# Altium PCB PCB3.PcbDoc (continued)
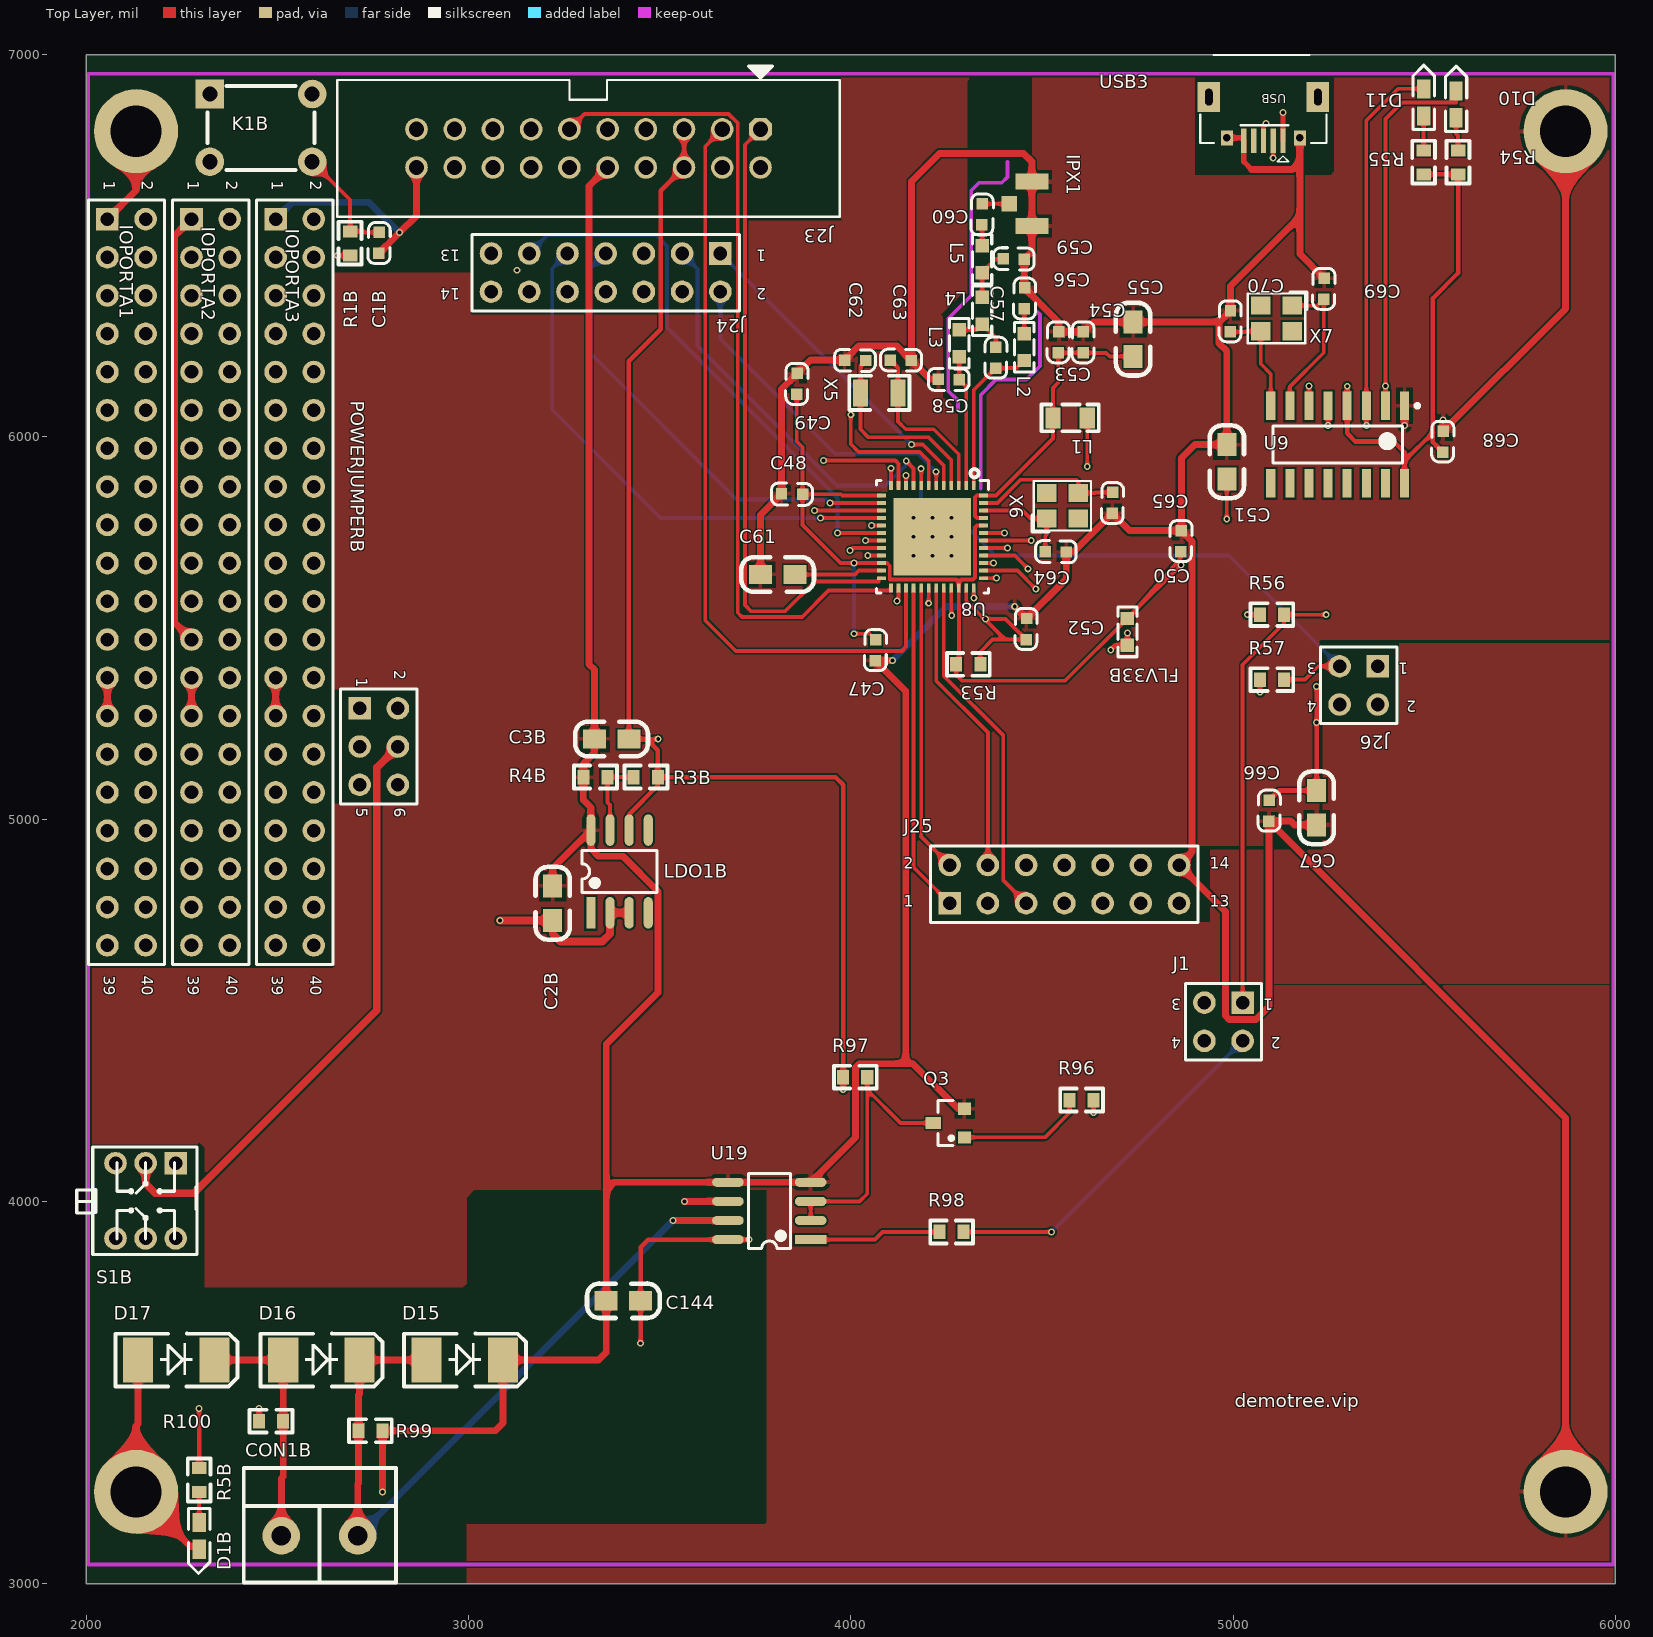
[diagram p0: Top Layer view]
## Footprints (in the part's own frame and the unit in brackets; to place one, negate y for a bottom-side part, rotate by r counter-clockwise, add the part's x,y. Pads: shape width x height; smd on the part's side, far side on the other; paste and mask are expansions set on the pad)
0603C [mil]
  rect 30x30 smd: 1(0.21,-0.35) 2(55.21,-1.35)
  silkscreen extent -26,-30 81,28, body extent -1,-15 62,17, height 12
0603L [mil]
  rect 35x35 smd: 1(0,0) 2(70,0)
  silkscreen extent -30,-25 100,25, body extent 4,-16 66,15, height 31
0603R [mm]
  rect 0.8x0.965 smd: 1(0,0) 2(1.6,0)
  silkscreen extent -0.64,-0.76 2.21,0.76, body extent -0.04,-0.41 1.56,0.41, height 0.45
0805C [mil]
  rect 60x50 smd: 1(-0.71,-0.4) 2(89.29,-0.4)
  silkscreen extent -51,-45 139,45, body extent 6,-25 84,25, height 31
0805L [mil]
  rect 40x55 smd: 1(5,0) 2(95,0)
  silkscreen extent -25,-35 125,35, body extent 15,-24 94,24, height 35
DIP-6X6X5 [mm]
  rect 1.9x1.9 hole 1: 1(0,0)
  round 1.9 hole 1: 2(0,-4.5) 3(6.8,-4.5) 4(6.8,0)
  silkscreen extent -0.16,-5.04 6.96,0.54, body extent -0.8,-5.24 7.41,0.76, height 4.95
HDR2X2 [mm] "Connector; Header; 2x2 Position"
  rect 1.5x1.5 hole 0.9: 1(0,0)
  round 1.5 hole 0.9: 2(0,2.54) 3(2.54,0) 4(2.54,2.54)
  silkscreen extent -1.27,-1.27 3.81,3.81
HDR2X3 [mm] "Connector; Header; 3x2 Position"
  rect 1.5x1.5 hole 0.9: 1(0,0)
  round 1.5 hole 0.9: 2(0,2.54) 3(2.54,0) 4(2.54,2.54) 5(5.08,0) 6(5.08,2.54)
  silkscreen extent -1.27,-1.27 6.35,3.81
HDR2X7 [mm] "Connector; Header; 7x2 Position"
  rect 1.5x1.5 hole 0.9: 1(0,0)
  round 1.5 hole 0.9: 2(0,2.54) 3(2.54,0) 4(2.54,2.54) 5(5.08,0) 6(5.08,2.54) 7(7.62,0) 8(7.62,2.54) 9(10.16,0) 10(10.16,2.54) 11(12.7,0) 12(12.7,2.54) 13(15.24,0) 14(15.24,2.54)
  silkscreen extent -1.27,-1.27 16.51,3.81
HDR2X20 [mm] "Connector; Header; 20x2 Position"
  rect 1.5x1.5 hole 0.9: 1(0,0)
  round 1.5 hole 0.9: 2(0,2.54) 3(2.54,0) 4(2.54,2.54) 5(5.08,0) 6(5.08,2.54) 7(7.62,0) 8(7.62,2.54) 9(10.16,0) 10(10.16,2.54) 11(12.7,0) 12(12.7,2.54) 13(15.24,0) 14(15.24,2.54) 15(17.78,0) 16(17.78,2.54) 17(20.32,0) 18(20.32,2.54) 19(22.86,0) 20(22.86,2.54) 21(25.4,0) 22(25.4,2.54) 23(27.94,0) 24(27.94,2.54) 25(30.48,0) 26(30.48,2.54) 27(33.02,0) 28(33.02,2.54) 29(35.56,0) 30(35.56,2.54) 31(38.1,0) 32(38.1,2.54) 33(40.64,0) 34(40.64,2.54) 35(43.18,0) 36(43.18,2.54) 37(45.72,0) 38(45.72,2.54) 39(48.26,0) 40(48.26,2.54)
  silkscreen extent -1.27,-1.27 49.53,3.81
IDC2.54-20P [mm]
  oct 1.5x1.5 hole 1: 1(0,0)
  round 1.5 hole 1: 2(0,2.54) 3(2.54,0) 4(2.54,2.54) 5(5.08,0) 6(5.08,2.54) 7(7.62,0) 8(7.62,2.54) 9(10.16,0) 10(10.16,2.54) 11(12.7,0) 12(12.7,2.54) 13(15.24,0) 14(15.24,2.54) 15(17.78,0) 16(17.78,2.54) 17(20.32,0) 18(20.32,2.54) 19(22.86,0) 20(22.86,2.54)
  silkscreen extent -5.27,-4.19 28.13,5.81, body extent -5.07,-2.98 27.93,5.87, height 9.13
IPEXCONN [mm]
  rect 1.05x1 smd paste+0 mask+0: 1(0,-1.503)
  rect 1.05x2.2 smd paste+0 mask+0: 2(1.475,0) 3(-1.475,0)
KF301-2P [mm] "间距5.08mm"
  round 2.5 hole 1.3: 1(0,0) 2(5.08,0)
  silkscreen extent -2.5,-3.1 7.62,4.5, body extent -3.06,-3.04 7.54,4.56, height 10
"KFT DIP-7X7" [mm]
  rect 1.5x1.5 hole 0.9: 1(0,0)
  round 1.5 hole 0.9: 2(0,-2) 3(0,-4) 4(5,-4) 5(5,-2) 6(5,0)
  silkscreen extent -1.08,-6.58 6.06,1.42, body extent -1.09,-5.46 5.91,1.54, height 11.2
LED-0603B [mil]
  rect 50x35 smd: A(0,0.26) K(70,0.26)
  silkscreen extent -36,-28 135,28, body extent 4,-15 66,17, height 24
LED-0603G [mil]
  rect 50x35 smd: A(5,0.26) K(75,0.26)
  silkscreen extent -31,-28 139,28, body extent 9,-15 71,17, height 24
LED-0603Y [mil]
  rect 50x35 smd: A(5,0) K(75,0)
  silkscreen extent -31,-28 138,28, body extent 9,-17 71,15, height 24
"OSC 3225-4P" [mm]
  rect 1.3x1.2 smd: 1(-1.05,-0.85) 2(1.05,-0.85) 3(1.05,0.85) 4(-1.05,0.85)
  silkscreen extent -2.03,-1.75 1.91,1.65, body extent -1.47,-1.27 1.73,1.23, height 0.7
RGZ0048N [mm]
  rect 0.6x0.25 smd paste+0 mask+0.051: 1(-3.4,2.75) 2(-3.4,2.25) 3(-3.4,1.75) 4(-3.4,1.25) 5(-3.4,0.75) 6(-3.4,0.25) 7(-3.4,-0.25) 8(-3.4,-0.75) 9(-3.4,-1.25) 10(-3.4,-1.75) 11(-3.4,-2.25) 12(-3.4,-2.75) 25(3.4,-2.75) 26(3.4,-2.25) 27(3.4,-1.75) 28(3.4,-1.25) 29(3.4,-0.75) 30(3.4,-0.25) 31(3.4,0.25) 32(3.4,0.75) 33(3.4,1.25) 34(3.4,1.75) 35(3.4,2.25) 36(3.4,2.75)
  rect 0.25x0.6 smd paste+0 mask+0.051: 13(-2.75,-3.4) 14(-2.25,-3.4) 15(-1.75,-3.4) 16(-1.25,-3.4) 17(-0.75,-3.4) 18(-0.25,-3.4) 19(0.25,-3.4) 20(0.75,-3.4) 21(1.25,-3.4) 22(1.75,-3.4) 23(2.25,-3.4) 24(2.75,-3.4) 37(2.75,3.4) 38(2.25,3.4) 39(1.75,3.4) 40(1.25,3.4) 41(0.75,3.4) 42(0.25,3.4) 43(-0.25,3.4) 44(-0.75,3.4) 45(-1.25,3.4) 46(-1.75,3.4) 47(-2.25,3.4) 48(-2.75,3.4)
  rect 5.15x5.15 smd paste-2.562 mask+0.051: 49(0,0)
  round 0.5 / inner round 1.524 / far side round 0.5 hole 0.254 mask+0.051: V(-1.26,1.26) V(-1.26,0) V(-1.26,-1.26) V(0,1.26) V(0,0) V(0,-1.26) V(1.26,1.26) V(1.26,0) V(1.26,-1.26)
  silkscreen extent -3.73,-3.73 3.73,3.72, body extent 0,0 0.25,0.25, height 0.25
SMA/DO-214AC [mm] "塑封二极管"
  rect 2x3 smd: A(-0.127,0) K(4.953,0)
  silkscreen extent -1.63,-1.75 6.48,1.75, body extent 0.11,-1.35 4.71,1.35, height 2.4
SOIC127P600X170-16N [mm] "SOIC, 16-Leads, Body 8.6x4.0mm (max), Pitch 1.27mm, IPC Medium Density"
  rect 1.9x0.6 smd: 1(-2.575,4.445) 2(-2.575,3.175) 3(-2.575,1.905) 4(-2.575,0.635) 5(-2.575,-0.635) 6(-2.575,-1.905) 7(-2.575,-3.175) 8(-2.575,-4.445) 9(2.575,-4.445) 10(2.575,-3.175) 11(2.575,-1.905) 12(2.575,-0.635) 13(2.575,0.635) 14(2.575,1.905) 15(2.575,3.175) 16(2.575,4.445)
  silkscreen extent -2.7,-4.3 1.22,5.42, body extent -1.98,-4.28 1.97,4.28, height 1.7
SOP8 [mm]
  rect 2.1x0.6 smd: 1(0,0)
  oval 2.1x0.6 smd: 2(0,-1.27) 3(0,-2.54) 4(0,-3.81) 5(5.5,-3.81) 6(5.5,-2.54) 7(5.5,-1.27) 8(5.5,0)
  silkscreen extent 1.35,-4.41 4.15,0.6, body extent -0.36,-4.37 5.64,0.63, height 1.9
SOT23 [mm] "SOT23, 3-Leads, Body 2.9x1.3mm, Pitch 0.95mm, Lead Span 2.3mm - Reverse Pinning, IPC High Density"
  rect 0.85x0.8 smd: 1(-1.075,0.95) 2(-1.075,-0.95)
  rect 1x0.8 smd: 3(1,0)
  silkscreen extent -0.33,-1.5 0.7,1.5, body extent -0.7,-1.5 0.7,1.5, height 1.1
USB-micro_B [mm]
  rect 1.5x2 hole 0.5 slot 1.1 at 90 deg: 0(-2.325,-2.9) 0(4.925,-2.9)
  rect 0.35x1.6 smd: 1(0,0) 2(0.65,0) 3(1.3,0) 4(1.95,0) 5(2.6,0)
  rect 0.8x1 hole 0.5: 5(-1.125,-0.19) 5(3.725,-0.19)
  silkscreen extent -2.89,-5.69 5.49,1.4, body extent -2.7,-5.6 5.3,0, height 2.8
X3215 [mm]
  rect 1x1.8 smd: 1(-1.25,0.05) 2(1.25,0.05)
  silkscreen extent -2,-1.1 2,1.18

## Part data
C1B C2B C3B C47 C48 C49 C50 C51 C52 C53 C54 C55 C56 C57 C58 C59 C60 C61 C62 C63 C64 C65 C66 C67 C68 C69 C70 C144: library part CAP, "无极性电容"
CON1B: library part Connector-2P
D1B D10 D11: library part LED
D15 D16 D17: library part TVS, "双向瞬态抑制二极管"
FLV33B L1 L2 L3 L4 L5: library part INDUCTOR, "INDUCTOR"
IOPORTA1 IOPORTA2 IOPORTA3: "Header, 20-Pin, Dual row", LatestRevisionDate=17-Jul-2002, LatestRevisionNote="Re-released for DXP Platform.", Publisher="Altium Limited"
J1 J26: library part "Header 2X2", "Header, 2-Pin, Dual row", LatestRevisionDate=17-Jul-2002, LatestRevisionNote="Re-released for DXP Platform.", Publisher="Altium Limited"
J23: library part IDC-20P
J24 J25: library part "Header 7X2", "Header, 7-Pin, Dual row", LatestRevisionDate=17-Jul-2002, LatestRevisionNote="Re-released for DXP Platform.", Publisher="Altium Limited"
K1B: library part KEY
LDO1B: library part RT2516
POWERJUMPERB: "Header, 3-Pin, Dual row", LatestRevisionDate=17-Jul-2002, LatestRevisionNote="Re-released for DXP Platform.", Publisher="Altium Limited"
Q3: library part S9014
R1B R3B R4B R5B R53 R54 R55 R56 R57 R96 R97 R98 R99 R100: library part RES
S1B: library part "KFT DIP-7X7"
U8: "Imported", Manufacturer="Texas Instruments", PartNumber=CC2640R2FTWRGZQ1, RefDes=RefDes, TYPE=TYPE
U9: library part Component_1
U19: library part MAX481
USB3: library part Micro-USB
X5: library part XTAL-2P, "2脚无源脚晶振"
X6 X7: library part XTAL-4P, "4脚无源晶振"

## Free pads (board coordinates)
  round 220 hole 134: 2(5870,3240) 3(2130,3240) 4(2130,6800) 5(5870,6800)

## Via types
v1: diameter 18, hole 10, Top Layer to Bottom Layer, 67 vias

## Nets (pads, with @x,y where several pads share a name; then routed paths per layer and width w, separated by ;. In a path a pad name is that pad's centre, name@x,y a point inside that pad or via, vN(x,y) a via of type N, cw(c..) or ccw(c..) an arc to the next point about the centre after c; other vN are vias at no path point)
+5: IOPORTA1.25 IOPORTA1.27 IOPORTA2.25 IOPORTA2.27 IOPORTA3.25 IOPORTA3.27 POWERJUMPERB.3 | length 1083.6
  Top Layer w18: IOPORTA1.27 IOPORTA1.25 ; IOPORTA2.27 IOPORTA2.25 ; IOPORTA3.27 IOPORTA3.25
  Middle Layer 1 w18: IOPORTA1.25 2055,5340 2069,5326 2193,5326 2237,5370 IOPORTA2.25 ; IOPORTA2.27 2319,5226 2413,5226 2457,5270 IOPORTA3.27 2546,5219 2686,5219 POWERJUMPERB.3
GND: C1B.1 C2B.1 C3B.1 C47.1 C48.1 C49.1 C50.1 C51.1 C52.1 C53.1 C54.1 C55.1 C56.2 C58.1 C59.1 C61.1 C62.1 C63.1 C64.1 C65.1 C66.1 C67.1 C68.1 C69.1 C70.1 C144.1 D1B.K D15.K D17.A IOPORTA1.1 IOPORTA1.23 IOPORTA1.24 IOPORTA2.1 IOPORTA2.23 IOPORTA2.24 IOPORTA3.1 IOPORTA3.23 IOPORTA3.24 IPX1.2 IPX1.3 J23.4 J23.8 J23.10 J23.12 J23.16 J23.20 J25.14 K1B.1 LDO1B.8 pad.2 pad.3 pad.4 pad.5 Q3.2 R4B.2 R99.2 U8.49 U8.V U9.1 U19.4 U19.5 USB3.5 | length 23688
  Top Layer w13.78: USB3.5@4983.94,6782.48 5020.75,6782.48 5028.23,6775 5028.23,6720 5048.23,6700
  Top Layer w18: IOPORTA1.1 2130,6645 pad.4 ; D17.A 2135,3418 2130,3413 pad.3 2273,3097 2295,3097 D1B.K ; IOPORTA2.23 2231,5514 2231,6526 IOPORTA2.1 ; C1B.1 v1(2819.5,6534.5) 2863.66,6578.66 J23.20 ; v1(2775,3240) R99.2 3070,3400 3090,3420 D15.K 3340,3585 3360,3605 C144.1 3360,4030 ; C2B.1 3220,4871.54 LDO1B.8 ; J23.10 3315,6656.34 3315,5405.29 3329.29,5391 C3B.1 3329.29,5174.29 3300,5145 R4B.2 3300,5050 3320,5030 LDO1B.8 ; C61.1 3763.66,5796 C48.1 3818.66,6125.13 C49.1 3894.53,6201 C62.1 4020.66,6238 4120.66,6238 C63.1 ; v1(4109,5415) C47.1 4143.6,5335.06 4143.6,4360 ; C58.1 4207.66,6151 C63.1 ; Q3.2 4280,4242.4 4162.4,4360 4143.6,4360 ; v1(4428.66,5556) C52.1 4563.66,5629 C64.1 4582.66,5699 C65.1 4728.66,5755 C50.1 ; 5048.23,6700 5154.88,6700 5174.88,6720 ; USB3.5@5174.88,6782.48 5174.88,6720 ; C67.1 5161,4985 5151,4995 C66.1 ; C69.1 5174.88,6478.21 5174.88,6576.88 ; v1(5448.66,6029.98) U9.1 ; v1(5549.66,6044) C68.1 5870,6335.34 pad.5 ; pad.2 5870,4218.66 C66.1 ; LDO1B.8 3320,4923 3340,4903 3404,4903 3496,4811 3496,4546 3360,4410 3360,4030 ; 3360,4030 3380,4050 U19.5 U19.4 4012,4167 4012,4350 4022,4360 4143.6,4360 ; C63.1 4158.66,6668.66 4232,6742 4451.66,6742 4473.66,6720 IPX1.3 IPX1.2 4473.66,6485 C59.1 4453.66,6391 C56.2 4543.66,6301 C53.1 C54.1 4634.37,6300.71 C55.1 4964.23,6300.71 ; C50.1 4864.66,5944.66 4900,5980 C51.1 4983.66,6224.34 4963,6245 4963,6299.48 4964.23,6300.71 ; C50.1 4893,5726.66 4893,4914.34 J25.14 4980,4758.66 4980,4486 4990,4476 5060,4476 5093.66,4509.66 C66.1 ; 4964.23,6300.71 C70.1 4993.31,6395.31 5174.88,6576.88 ; 5174.88,6576.88 5174.88,6720
  Middle Layer 1 w18: IOPORTA1.23 IOPORTA1.24 IOPORTA2.23 IOPORTA2.24 IOPORTA3.23 IOPORTA3.24 ; IOPORTA1.1 2055,6540 2069,6526 2193,6526 2237,6570 IOPORTA2.1 2319,6526 2413,6526 2457,6570 IOPORTA3.1 ; pad.3 v1(2775,3240) ; pad.4 2227.17,6897.17 K1B.1 ; J23.20 2924.19,6644.47 3003.13,6644.47 J23.16 3107.66,6661 3219.66,6661 J23.12 J23.10 J23.8 3507.66,6661 3619.66,6661 J23.4 ; USB3.5@5174.88,6782.48 5174.88,6800 pad.5 ; v1(5448.66,6029.98) 5462.69,6044 v1(5549.66,6044)
  Bottom Layer w18: IOPORTA3.1 2539,6614 2740,6614 v1(2819.5,6534.5) ; v1(4109,5415) 4250,5556 v1(4428.66,5556)
NetC1B_2: C1B.2 C52.2 J23.15 K1B.3 R1B.1 R53.1 U8.35 | length 3461.8
  Top Layer w9.84: 4302.09,5570.91 U8.35
  Top Layer w10: K1B.3 2690,6620.72 R1B.1 2726,6537.99 2728.99,6535 C1B.2 ; 4302.09,5570.91 4403,5470 ; R53.1 4338.66,5437.66 4371,5470 4403,5470 ; v1(4352,5524) 4404.66,5524 C52.2 4403,5470
  Middle Layer 1 w10: K1B.3 2632.24,6761.53 3020.19,6761.53 J23.15
  Middle Layer 2 w10: J23.15 3103.66,6845 3180,6845 3204,6821 3204,6273 3963,5514 4342,5514 v1(4352,5524)
NetC56_1: C56.1 L2.2 | length 65
  Top Layer w10: L2.2 C56.1
NetC57_1: C57.1 L2.1 U8.1 | length 414.1
  Top Layer w10: U8.1 4321.77,6123.11 C57.1 4433.66,6180 L2.1
NetC57_2: C57.2 L3.2 L4.1 | length 141.1
  Top Layer w10: L3.2 4328.66,6280 L4.1 4379.66,6259 C57.2
NetC58_2: C58.2 L3.1 U8.2 | length 344.9
  Top Layer w10: L3.1 C58.2 4302.09,6131.57 U8.2
NetC59_2: C59.2 L4.2 L5.1 | length 134.9
  Top Layer w10: L4.2 L5.1 4379.66,6466 C59.2
NetC60_1: C60.1 L5.2 | length 55.4
  Top Layer w10: C60.1 4343.66,6554 L5.2
NetC60_2: C60.2 IPX1.1 | length 70.8
  Top Layer w10: C60.2 IPX1.1
NetC61_2: C61.2 U8.23 | length 230.2
  Top Layer w9.84: 4020.86,5650.28 U8.23
  Top Layer w10: C61.2 4010.59,5640 4020.86,5650.28
NetC62_2: C62.2 U8.4 X5.2 | length 523.5
  Top Layer w9.84: U8.4 4262.72,5940
  Top Layer w10: C62.2 4025.24,6186.57 X5.2 4025.24,6020 4046.24,5999 4203.72,5999 4262.72,5940
NetC63_2: C63.2 U8.3 X5.1 | length 445.3
  Top Layer w9.84: U8.3 4282.4,5954.6
  Top Layer w10: C63.2 4123.66,6181 X5.1 4123.66,6040 4143.66,6020 4217,6020 4282.4,5954.6
NetC64_2: C64.2 U8.46 X6.1 | length 261.8
  Top Layer w9.84: U8.46 4448.78,5807.76
  Top Layer w10: 4448.78,5807.76 4470,5786.54 X6.1 4512.32,5744.66 4508.66,5741 C64.2
NetC65_2: C65.2 U8.47 X6.3 | length 394.6
  Top Layer w9.84: U8.47 4383.44,5827.44
  Top Layer w10: 4383.44,5827.44 4444,5888 4590,5888 4595,5883 X6.3 4639,5853.46 4640.54,5855 C65.2
NetC69_2: C69.2 U9.7 X7.1 | length 404.2
  Top Layer w10: U9.7 5148.66,6131.66 5237.31,6220.31 C69.2 5220.98,6343.46 X7.1
NetC70_2: C70.2 U9.8 X7.3 | length 286.8
  Top Layer w10: C70.2 5031,6274.79 5032.75,6276.54 X7.3 5072.32,6191.34 5098.66,6165 U9.8
NetCON1B_1: CON1B.1 D16.A D17.K R100.2 U19.6 | length 2417.2
  Top Layer w18: D17.K D16.A R100.2 2515,3280 2510,3275 CON1B.1 ; v1(3565,4000) U19.6
  Middle Layer 1 w18: CON1B.1 2587,3202 3184,3202 3565,3583 v1(3565,4000)
NetCON1B_2: CON1B.2 D15.A D16.K R99.1 U19.7 | length 1947.3
  Top Layer w18: CON1B.2 2710,3261 2712.01,3263.01 R99.1 2712.01,3493 2715,3495.99 D16.K D15.A ; v1(3535,3950) U19.7
  Bottom Layer w18: CON1B.2 v1(3535,3950)
NetD1B_A: D1B.A R5B.1 | length 80
  Top Layer w10: D1B.A R5B.1
NetD10_A: D10.A R54.1 | length 87.2
  Top Layer w10: D10.A 5583.41,6794.26 5588.66,6789 R54.1
NetD10_K: D10.K J26.2 U9.2 | length 1866
  Top Layer w10: U9.2 v1@5398.66,6132.66 ; v1(5399,6133) v1@5398.66,6132.66 ; D10.K 5583.41,6875 5442,6875 5398.66,6831.66 v1@5398.66,6132.66
  Middle Layer 2 w10: J26.2 5329,5349.66 5329,6063 v1(5399,6133)
NetD11_A: D11.A R55.1 | length 90
  Top Layer w10: R55.1 D11.A
NetD11_K: D11.K J26.4 U9.3 | length 1939.9
  Top Layer w10: v1(5349,6030) 5348.66,6030.34 U9.3 5348.66,6827.66 5432,6911 5498.66,6911 D11.K
  Middle Layer 2 w10: J26.4 5333.66,5245 5384,5245 5419,5280 5419,5960 v1(5349,6030)
NetJ1_1: J1.1 J26.1 R56.2 | length 1360.9
  Top Layer w10: J1.1 5025,5404 5133.66,5512.66 R56.2 v1(5243.66,5535)
  Middle Layer 1 w10: v1(5243.66,5535) J26.1
NetJ1_2: J1.2 R98.1 | length 937.1
  Top Layer w10: R98.1 v1(4525,3920)
  Bottom Layer w10: v1(4525,3920) J1.2
NetJ1_3: J1.3 R57.1 | length 905.3
  Top Layer w10: v1(5070.67,5332) R57.1
  Middle Layer 2 w10: J1.3 5070.67,4665.67 v1(5070.67,5332)
NetJ1_4: J1.4 R96.1 | length 400.9
  Top Layer w10: v1(4635,4232) R96.1
  Middle Layer 1 w10: v1(4635,4232) 4737,4232 J1.4
NetJ23_1: J23.1 U8.24 | length 1666
  Top Layer w9.84: 3906,5622 4073,5622 4073,5630.59 U8.24
  Top Layer w10: J23.1 3723,6764.34 3723,5560 3739,5544 3828,5544 3906,5622
NetJ23_3: J23.3 U8.27 | length 2020.8
  Top Layer w9.84: 4144.61,5451 U8.27
  Top Layer w10: J23.3 3619,6760.34 3619,5520 3699,5440 4133.61,5440 4144.61,5451
NetJ23_7: J23.7 U8.26 | length 1739
  Top Layer w9.84: v1@4124.92,5574.61 U8.26
  Top Layer w10: v1(4121,5570.69) v1@4124.92,5574.61
  Middle Layer 2 w10: J23.7 3515.66,6753 3851,6753 4062,6542 4062,5909 4121,5850 v1(4121,5570.69)
NetJ23_11: J23.11 U8.25 | length 2189.2
  Top Layer w9.84: 3942,5598 4105.24,5598 U8.25
  Top Layer w10: J23.11 3303.66,6845 3680,6845 3704,6821 3704,5540 3715,5529 3873,5529 3942,5598
NetJ24_1: J24.1 U8.5 | length 866.5
  Top Layer w9.84: U8.5 4243.03,5925
  Top Layer w10: v1(4158.66,5980) 4188.03,5980 4243.03,5925
  Bottom Layer w10: J24.1 v1(4158.66,5980)
NetJ24_2: J24.2 U8.6 | length 868.3
  Top Layer w9.84: U8.6 v1@4223.35,5908.65
  Top Layer w10: v1(4223,5909) v1@4223.35,5908.65
  Bottom Layer w10: J24.2 3658.66,6256.34 3959,5956 4176,5956 v1(4223,5909)
NetJ24_3: J24.3 U8.9 | length 1060.5
  Top Layer w9.84: U8.9 4164.29,5917.71
  Top Layer w10: v1(4145,5937) 4164.29,5917.71
  Bottom Layer w10: J24.3 3599,6439.66 3599,6238 3964,5873 4091,5873 4145,5927 v1(4145,5937)
NetJ24_4: J24.4 U8.10 | length 811.5
  Top Layer w9.84: U8.10 v1(4144.61,5899)
  Middle Layer 1 w10: J24.4 4039.66,5899 v1(4144.61,5899)
NetJ24_5: J24.5 U8.11 | length 993.3
  Top Layer w9.84: U8.11 4124.92,5930
  Top Layer w10: v1(3928.5,5938.5) 4116.42,5938.5 4124.92,5930
  Middle Layer 2 w10: J24.5 3509,6429.66 3509,6358 v1(3928.5,5938.5)
NetJ24_6: J24.6 U8.12 | length 1058.4
  Top Layer w9.84: U8.12 v1(4105.24,5918)
  Middle Layer 1 w10: J24.6 3974.66,5864 4140,5864 4164,5888 4164,5910 4156,5918 v1(4105.24,5918)
NetJ24_7: J24.7 U8.14 | length 1200.3
  Top Layer w9.84: v1(3945.56,5827.44) U8.14
  Bottom Layer w10: J24.7 3319,6440.34 3319,6219 3701.24,5836.76 3936.24,5836.76 v1(3945.56,5827.44)
NetJ24_8: J24.8 U8.15 | length 1072
  Top Layer w9.84: v1(3905,5807.76) U8.15
  Middle Layer 2 w10: J24.8 3358.66,6185.34 3671,5873 3839.76,5873 v1(3905,5807.76)
NetJ24_9: J24.9 U8.16 | length 1403.3
  Top Layer w9.84: v1(3921,5788.07) U8.16
  Bottom Layer w10: J24.9 3219,6440.34 3219,6071 3501.93,5788.07 v1(3921,5788.07)
NetJ24_10: J24.10 U8.17 | length 1404.9
  Top Layer w9.84: v1(4054,5768.39) U8.17
  Middle Layer 2 w10: J24.10 3309,6430.34 3309,6500 3329,6520 3599,6520 3619,6500 3619,6317 4054,5882 v1(4054,5768.39)
NetJ24_11: J24.11 U8.18 | length 1442.5
  Top Layer w9.84: v1(3965,5748.7) U8.18
  Bottom Layer w10: J24.11 3206.66,6528 3491,6528 3519,6500 3519,6286 3965,5840 v1(3965,5748.7)
NetJ24_12: J24.12 U8.19 | length 1190.6
  Top Layer w9.84: v1(4038.7,5729.02) U8.19
  Middle Layer 1 w10: J24.12 3770.66,5768 3999.71,5768 v1(4038.7,5729.02)
NetJ24_13: J24.13 U8.20 | length 1501.1
  Top Layer w9.84: v1@4004.33,5709.33 U8.20
  Top Layer w10: v1(3998,5703) v1@4004.33,5709.33
  Middle Layer 1 w10: J24.13 3019,6440.34 3019,6310 3626,5703 v1(3998,5703)
NetJ24_14: J24.14 U8.21 | length 1306.9
  Top Layer w9.84: v1(4044.35,5689.65) U8.21
  Middle Layer 1 w10: J24.14 3716.66,5722 4012,5722 v1(4044.35,5689.65)
NetJ25_1: J25.1 U8.28 | length 864.1
  Top Layer w9.84: 4164.29,4874.37 U8.28
  Top Layer w10: 4164.29,4874.37 J25.1
NetJ25_2: J25.2 U8.29 | length 755.9
  Top Layer w9.84: 4183.98,4954.69 U8.29
  Top Layer w10: 4183.98,4954.69 J25.2
NetJ25_3: J25.3 U8.30 | length 1084.7
  Top Layer w9.84: v1(4203.66,5565) U8.30
  Middle Layer 2 w10: v1(4203.66,5565) 4243.66,5605 4346,5605 4386,5565 4386,5065 4319,4998 4319,4819.66 J25.3
NetJ25_4: J25.4 U8.31 | length 781
  Top Layer w9.84: 4223.35,5361.65 U8.31
  Top Layer w10: 4223.35,5361.65 4358.66,5226.34 J25.4
NetJ25_5: J25.5 U8.32 | length 914.3
  Top Layer w9.84: 4243.03,5374.97 U8.32
  Top Layer w10: 4243.03,5374.97 4399,5219 4399,4839.66 J25.5
NetJ25_6: J25.6 U8.36 | length 1234.4
  Top Layer w9.84: v1(4321.77,5579) U8.36
  Middle Layer 2 w10: v1(4321.77,5579) 4324.75,5579 4371,5532.75 4371,5093 4304,5026 4304,4775 4339,4740 4479,4740 4499,4760 4499,4839.66 J25.6
NetJ25_7: J25.7 U8.37 | length 957.8
  Top Layer w9.84: U8.37 v1(4381,5630.59)
  Middle Layer 2 w10: v1(4381,5630.59) 4401,5610.59 4401,5541 4514,5428 4514,4824.66 J25.7
NetJ25_8: J25.8 U8.38 | length 909.7
  Top Layer w9.84: U8.38 4436,5650.28
  Top Layer w10: 4436,5650.28 v1(4484,5602.28)
  Middle Layer 2 w10: v1(4484,5602.28) 4558.66,5527.61 J25.8
NetJ25_9: J25.9 U8.39 | length 1137.1
  Top Layer w9.84: U8.39 v1(4373.04,5670)
  Top Layer w10: v1(4373.04,5670) v1(4373.04,5670)
  Middle Layer 2 w10: v1(4373.04,5670) 4415.04,5628 4591,5628 4619,5600 4619,4819.66 J25.9
NetJ25_10: J25.10 U8.40 | length 1080.3
  Top Layer w9.84: U8.40 4429,5689.65
  Top Layer w10: 4429,5689.65 v1(4463.65,5655)
  Middle Layer 2 w10: v1(4463.65,5655) 4624,5655 4658.66,5620.34 J25.10
NetJ25_11: J25.11 U8.41 | length 1284.4
  Top Layer w9.84: U8.41 v1(4410,5709.33)
  Middle Layer 2 w10: v1(4410,5709.33) 4662.67,5709.33 4705,5667 4705,4833.66 J25.11
NetJ25_12: J25.12 U8.42 | length 1231.6
  Top Layer w9.84: U8.42 v1(4472,5729.02)
  Middle Layer 2 w10: v1(4472,5729.02) 4709.65,5729.02 4758.66,5680 J25.12
NetJ25_13: J25.13 U8.43 | length 1434.7
  Top Layer w9.84: U8.43 v1(4402,5748.7)
  Middle Layer 2 w10: v1(4402,5748.7) 4781.3,5748.7 4819,5711 4819,4819.66 J25.13
NetJ26_3: J26.3 R57.2 U8.8 | length 1592.9
  Top Layer w9.84: U8.8 v1(4184,5917)
  Top Layer w10: R57.2 5188,5365 5223,5400 J26.3
  Bottom Layer w10: v1(4184,5917) 4184,5780 4199,5765 4303,5765 4378,5690 4988.66,5690 J26.3
NetL1_1: L1.1 U8.33 | length 975.3
  Top Layer w9.84: v1@4262.72,5534.28 U8.33
  Top Layer w10: v1@4262.72,5534.28 v1(4264,5533) ; v1(4618.66,5923) L1.1
  Middle Layer 2 w10: v1(4264,5533) 4201,5533 4184,5550 4184,5600 4220,5636 4288,5636 4312,5660 4312,5780 4332,5800 4495.66,5800 v1(4618.66,5923)
NetLDO1B_7: LDO1B.7 R3B.2 R4B.1 | length 210.4
  Top Layer w10: LDO1B.7 3370,5037 3362.99,5044.01 R4B.1 R3B.2
NetQ3_1: Q3.1 R96.2 | length 334.4
  Top Layer w10: Q3.1 4507.6,4167.6 4572.01,4232.01 R96.2
NetQ3_3: Q3.3 R97.1 U19.2 U19.3 | length 720
  Top Layer w10: U19.2 U19.3 4022.99,4000 4042.99,4020 4042.99,4292.01 ; R97.1 4042.99,4292.01 ; Q3.3 4130,4205 4042.99,4292.01
NetR56_1: R56.1 U8.7 | length 1734.6
  Top Layer w9.84: U8.7 4203.66,5937.69
  Top Layer w10: v1(4000,6058) 4000,5981 4020,5961 4180.35,5961 4203.66,5937.69 ; v1(5037.67,5535) R56.1
  Middle Layer 1 w10: v1(4000,6058) 4240,6058 4295,6003 4295,5860 4319,5836 4736.67,5836 v1(5037.67,5535)
NetR98_2: R98.2 U19.1 | length 345.3
  Top Layer w10: U19.1 4063,3900 4083,3920 R98.2
NetU9_5: U9.5 USB3.3 | length 1035.5
  Top Layer w10: USB3.3 5079.41,6813.41 v1(5086,6820) ; v1(5248.66,6030) U9.5
  Middle Layer 2 w10: v1(5086,6820) 5344,6562 5344,6125.34 v1(5248.66,6030)
NetU9_6: U9.6 USB3.2 | length 732.7
  Top Layer w10: v1(5105,6730) USB3.2 ; U9.6 5198.66,6132.66 v1(5199,6133)
  Middle Layer 2 w10: v1(5105,6730) 5199,6636 v1(5199,6133)
NRST: IOPORTA1.34 IOPORTA2.34 IOPORTA3.34 | length 506.3
  Middle Layer 1 w10: IOPORTA1.34 2195,5010 2335,5010 IOPORTA2.34 2415,5010 2555,5010 IOPORTA3.34
PA1: IOPORTA1.40 IOPORTA2.40 IOPORTA3.40 | length 506.3
  Middle Layer 1 w10: IOPORTA1.40 2195,4710 2335,4710 IOPORTA2.40 2415,4710 2555,4710 IOPORTA3.40
PA15: IOPORTA1.2 IOPORTA2.2 IOPORTA3.2 | length 526.2
  Middle Layer 1 w10: IOPORTA1.2 2195,6610 2335,6610 IOPORTA2.2 2439,6634 2531,6634 IOPORTA3.2
PB3: IOPORTA1.14 IOPORTA2.14 IOPORTA3.14 | length 506.3
  Middle Layer 1 w10: IOPORTA1.14 2195,6010 2335,6010 IOPORTA2.14 2415,6010 2555,6010 IOPORTA3.14
PB4: IOPORTA1.15 IOPORTA2.15 IOPORTA3.15 | length 506.3
  Middle Layer 1 w10: IOPORTA1.15 2095,5830 2235,5830 IOPORTA2.15 2315,5830 2455,5830 IOPORTA3.15
PB5: IOPORTA1.16 IOPORTA2.16 IOPORTA3.16 | length 506.3
  Middle Layer 1 w10: IOPORTA1.16 2195,5910 2335,5910 IOPORTA2.16 2415,5910 2555,5910 IOPORTA3.16
PB6: IOPORTA1.17 IOPORTA2.17 IOPORTA3.17 | length 506.3
  Middle Layer 1 w10: IOPORTA1.17 2095,5730 2235,5730 IOPORTA2.17 2315,5730 2455,5730 IOPORTA3.17
PB7: IOPORTA1.18 IOPORTA2.18 IOPORTA3.18 | length 506.3
  Middle Layer 1 w10: IOPORTA1.18 2195,5810 2335,5810 IOPORTA2.18 2415,5810 2555,5810 IOPORTA3.18
PB8: IOPORTA1.19 IOPORTA2.19 IOPORTA3.19 | length 506.3
  Middle Layer 1 w10: IOPORTA1.19 2095,5630 2235,5630 IOPORTA2.19 2315,5630 2455,5630 IOPORTA3.19
PB9: IOPORTA1.20 IOPORTA2.20 IOPORTA3.20 | length 506.3
  Middle Layer 1 w10: IOPORTA1.20 2195,5710 2335,5710 IOPORTA2.20 2415,5710 2555,5710 IOPORTA3.20
PC0: IOPORTA1.35 IOPORTA2.35 IOPORTA3.35 | length 506.3
  Middle Layer 1 w10: IOPORTA1.35 2095,4830 2235,4830 IOPORTA2.35 2315,4830 2455,4830 IOPORTA3.35
PC1: IOPORTA1.36 IOPORTA2.36 IOPORTA3.36 | length 506.3
  Middle Layer 1 w10: IOPORTA1.36 2195,4910 2335,4910 IOPORTA2.36 2415,4910 2555,4910 IOPORTA3.36
PC2: IOPORTA1.37 IOPORTA2.37 IOPORTA3.37 | length 506.3
  Middle Layer 1 w10: IOPORTA1.37 2095,4730 2235,4730 IOPORTA2.37 2315,4730 2455,4730 IOPORTA3.37
PC3: IOPORTA1.38 IOPORTA2.38 IOPORTA3.38 | length 506.3
  Middle Layer 1 w10: IOPORTA1.38 2195,4810 2335,4810 IOPORTA2.38 2415,4810 2555,4810 IOPORTA3.38
PC10: IOPORTA1.3 IOPORTA2.3 IOPORTA3.3 | length 506.3
  Middle Layer 1 w10: IOPORTA1.3 2095,6430 2235,6430 IOPORTA2.3 2315,6430 2455,6430 IOPORTA3.3
PC11: IOPORTA1.4 IOPORTA2.4 IOPORTA3.4 | length 523.8
  Middle Layer 1 w10: IOPORTA1.4 2195,6470 2235,6510 2305,6510 2345,6470 IOPORTA2.4 2415,6470 2455,6510 2585,6510 2595,6500 IOPORTA3.4
PC12: IOPORTA1.5 IOPORTA2.5 IOPORTA3.5 | length 506.3
  Middle Layer 1 w10: IOPORTA1.5 2095,6330 2235,6330 IOPORTA2.5 2315,6330 2455,6330 IOPORTA3.5
PC13: IOPORTA1.33 IOPORTA2.33 IOPORTA3.33 | length 506.3
  Middle Layer 1 w10: IOPORTA1.33 2095,4930 2235,4930 IOPORTA2.33 2315,4930 2455,4930 IOPORTA3.33
PD0: IOPORTA1.6 IOPORTA2.6 IOPORTA3.6 | length 506.3
  Middle Layer 1 w10: IOPORTA1.6 2195,6410 2335,6410 IOPORTA2.6 2415,6410 2555,6410 IOPORTA3.6
PD1: IOPORTA1.7 IOPORTA2.7 IOPORTA3.7 | length 506.3
  Middle Layer 1 w10: IOPORTA1.7 2095,6230 2235,6230 IOPORTA2.7 2315,6230 2455,6230 IOPORTA3.7
PD3: IOPORTA1.9 IOPORTA2.9 IOPORTA3.9 | length 506.3
  Middle Layer 1 w10: IOPORTA1.9 2095,6130 2235,6130 IOPORTA2.9 2315,6130 2455,6130 IOPORTA3.9
PD4: IOPORTA1.10 IOPORTA2.10 IOPORTA3.10 | length 506.3
  Middle Layer 1 w10: IOPORTA1.10 2195,6210 2335,6210 IOPORTA2.10 2415,6210 2555,6210 IOPORTA3.10
PD5: IOPORTA1.11 IOPORTA2.11 IOPORTA3.11 | length 506.3
  Middle Layer 1 w10: IOPORTA1.11 2095,6030 2235,6030 IOPORTA2.11 2315,6030 2455,6030 IOPORTA3.11
PD6: IOPORTA1.12 IOPORTA2.12 IOPORTA3.12 | length 506.3
  Middle Layer 1 w10: IOPORTA1.12 2195,6110 2335,6110 IOPORTA2.12 2415,6110 2555,6110 IOPORTA3.12
PD7: IOPORTA1.13 IOPORTA2.13 IOPORTA3.13 | length 506.3
  Middle Layer 1 w10: IOPORTA1.13 2095,5930 2235,5930 IOPORTA2.13 2315,5930 2455,5930 IOPORTA3.13
PE1: IOPORTA1.22 IOPORTA2.22 IOPORTA3.22 | length 506.3
  Middle Layer 1 w10: IOPORTA1.22 2195,5610 2335,5610 IOPORTA2.22 2415,5610 2555,5610 IOPORTA3.22
PE2: IOPORTA1.28 IOPORTA2.28 IOPORTA3.28 | length 523.8
  Middle Layer 1 w10: IOPORTA1.28 2195,5270 2235,5310 2365,5310 2375,5300 IOPORTA2.28 2415,5310 2555,5310 IOPORTA3.28
PE3: IOPORTA1.29 IOPORTA2.29 IOPORTA3.29 | length 506.3
  Middle Layer 1 w10: IOPORTA1.29 2095,5130 2235,5130 IOPORTA2.29 2315,5130 2455,5130 IOPORTA3.29
PE4: IOPORTA1.30 IOPORTA2.30 IOPORTA3.30 | length 506.3
  Middle Layer 1 w10: IOPORTA1.30 2195,5210 2305,5210 2345,5170 IOPORTA2.30 2415,5170 2455,5210 2525,5210 2565,5170 IOPORTA3.30
PE5: IOPORTA1.31 IOPORTA2.31 IOPORTA3.31 | length 506.3
  Middle Layer 1 w10: IOPORTA1.31 2095,5030 2235,5030 IOPORTA2.31 2315,5030 2455,5030 IOPORTA3.31
PE6: IOPORTA1.32 IOPORTA2.32 IOPORTA3.32 | length 506.3
  Middle Layer 1 w10: IOPORTA1.32 2195,5110 2335,5110 IOPORTA2.32 2415,5110 2555,5110 IOPORTA3.32
TIM2_ETR: IOPORTA1.39 IOPORTA2.39 IOPORTA3.39 | length 506.3
  Middle Layer 1 w10: IOPORTA1.39 2095,4630 2235,4630 IOPORTA2.39 2315,4630 2455,4630 IOPORTA3.39
TIM3_ETR: IOPORTA1.8 IOPORTA2.8 IOPORTA3.8 | length 506.3
  Middle Layer 1 w10: IOPORTA1.8 2195,6310 2335,6310 IOPORTA2.8 2415,6310 2555,6310 IOPORTA3.8
TIM4_ETR: IOPORTA1.21 IOPORTA2.21 IOPORTA3.21 | length 506.3
  Middle Layer 1 w10: IOPORTA1.21 2095,5530 2235,5530 IOPORTA2.21 2315,5530 2455,5530 IOPORTA3.21
VB5: C3B.2 C66.2 C67.2 C68.2 C144.2 FLV33B.1 J23.5 J23.6 LDO1B.6 R1B.2 R3B.1 R5B.2 R54.2 R55.2 R97.2 R100.1 U9.4 U9.16 U19.8 | length 11386.6
  Top Layer w12: R5B.2 v1(2295,3458) ; R100.1 v1(2452.01,3458) ; v1(2657,6475) R1B.2 ; LDO1B.6 3420,5013 3495,5088 R3B.1 ; v1(3450,3629) C144.2 3450,3880 3470,3900 U19.8 v1(3733.8,3900) ; v1(3496,5209.6) 3465.4,5209.6 ; J23.5 J23.6 3503,6644.34 3503,6282 3419.29,6198.29 C3B.2 3465.4,5209.6 ; v1(3980,4292) R97.2 3980,5090 3960,5110 R3B.1 ; v1(4680,5443) 4692,5455 FLV33B.1 4723.66,5486.66 v1(4724,5487) ; C66.2 5119.66,5075 C67.2 v1(5218.66,5253.34) v1(5218.66,5347.34) ; v1(5298.66,6132.78) U9.4 5298.66,6009.34 5320,5988 5420.66,5988 5448.66,5960 5448.66,5937.39 ; U9.16 5448.66,5937.39 ; R55.2 R54.2 5588.66,6429 5523,6363.34 5523,6011.72 ; C68.2 5523,5985.66 5523,6011.72 ; 3465.4,5209.6 3495,5180 R3B.1 ; 5448.66,5937.39 5523,6011.72
  Middle Layer 1 w12: v1(2295,3458) v1(2452.01,3458) 2623.01,3629 v1(3450,3629) ; v1(2657,6475) 2657,6559 2843.53,6745.53 3523.13,6745.53 J23.6 ; v1(3496,5209.6) 3729.4,5443 v1(4680,5443) ; v1(4724,5487) 4985,5487 v1(5218.66,5253.34)
  Middle Layer 2 w12: v1(3733.8,3900) 3980,4146.2 v1(3980,4292) ; v1(5218.66,5347.34) 5218.66,6052.78 v1(5298.66,6132.78)
VBB: C2B.2 LDO1B.2 LDO1B.3 S1B.1 | length 1555.9
  Top Layer w20: v1(3082,4735) C2B.2 3220,4700 3240,4680 3350,4680 3370,4700 LDO1B.2 LDO1B.3
  Middle Layer 1 w20: S1B.1 2868.74,4735 v1(3082,4735)
VBIN: POWERJUMPERB.4 S1B.2 | length 1580.5
  Top Layer w20: S1B.2 2155,4046 2180,4021 2281,4021 2760,4500 2760,5135 POWERJUMPERB.4
VDDR: C53.2 C54.2 C55.2 L1.2 U8.45 U8.48 | length 770.4
  Top Layer w9.84: U8.45 4330,5788.07 4325,5793.07 4325,5842.13 4330,5847.13 U8.48 4379.68,5847.13
  Top Layer w10: 4379.68,5847.13 4528.66,5996.11 L1.2 4528.66,6128 4542.66,6142 C53.2 C54.2 4668,6220 4677.29,6210.71 C55.2
VDDS: C47.2 C48.2 C49.2 C50.2 C51.2 FLV33B.2 R53.2 U8.13 U8.22 U8.34 U8.44 | length 2957
  Top Layer w9.84: 3973,5669.96 v1(4008,5669.96) U8.22 4095,5669.96 4102,5662.96 4102,5627 4275.4,5627 4282.4,5620 ; 4282.4,5560.6 U8.34 4282.4,5620 ; 4320,5627 4289.4,5627 4282.4,5620 ; 4325,5632 4325,5763.39 4330,5768.39 U8.44
  Top Layer w10: C49.2 3858.66,5988 3873.66,5973 C48.2 ; 3973,5669.96 3873.66,5769.3 C48.2 ; v1(4008,5485) 4049.66,5485 C47.2 ; U8.13 3977.87,5847.13 3975,5850 C48.2 ; 4282.4,5560.6 4283,5560 4283,5405 R53.2 4275.67,5376.83 4290.5,5362 4560.66,5362 FLV33B.2 FLV33B.2@4733.49,5534.83 ; 4320,5627 4325,5632 ; C50.2 4863.66,5684.66 4854.24,5673.82 FLV33B.2@4733.49,5534.83 ; v1(4864,5665.34) FLV33B.2@4733.49,5534.83 ; v1(4983.66,5785) C51.2
  Middle Layer 2 w10: v1(4864,5665.34) v1(4983.66,5785)
  Bottom Layer w10: v1(4008,5485) v1(4008,5669.96)
VNUC5: IOPORTA1.26 IOPORTA2.26 IOPORTA3.26 POWERJUMPERB.2 | length 766
  Middle Layer 1 w18: IOPORTA1.26 2199,5414 2331,5414 IOPORTA2.26 2419,5414 2551,5414 IOPORTA3.26 2735,5370 POWERJUMPERB.2
VUSB_2: POWERJUMPERB.6 USB3.1 | length 3723.9
  Top Layer w13.78: USB3.1 v1(5130.59,6849)
  Middle Layer 1 w18: v1(3127,6436) 4044,6436 4443,6835 4980,6835 4994,6849 v1(5130.59,6849)
  Middle Layer 2 w18: POWERJUMPERB.6 3115,5390 3115,6424 v1(3127,6436)
pads on no net: J23.2 J23.9 J23.13 J23.14 J23.17 J23.18 J23.19 K1B.2 K1B.4 LDO1B.1 LDO1B.4 LDO1B.5 POWERJUMPERB.1 POWERJUMPERB.5 S1B.3 S1B.4 S1B.5 S1B.6 U9.9 U9.10 U9.11 U9.12 U9.13 U9.14 U9.15 USB3.0 USB3.4 X6.2 X6.4 X7.2 X7.4

## Polygon pours and split planes (outlines as drawn)
GND on Top Layer "top" (solid, pour order 4): 2005,4610 2645,4610 2650,4615 2645,4620 2645,5040 2865,5040 2865,5340 2650,5340 2645,5345 2645,6430 3010,6430 3005,6425 3005,6320 3710,6320 3720,6330 3720,6565 3980,6565 3975,6570 3975,6945 4310,6945 4315,6940 4305,6930 4305,6375 4290,6375 4235,6320 4240,6315 4240,6100 4250,6100 4280,6070 4280,5825 4344.92,5825 4355,5835.08 4355,6125 4380,6150 4460,6150 4495,6185 4490,6190 4490,6365 4465,6390 4475,6400 4475,6950 4895,6950 4900,6945 4900,6685 5255,6685 5265,6695 5265,6950 5995,6950 5990,6945 5990,5470 5230,5470 5225,5465 5225,4930 4200,4930 4210,4920 4210,4725 4905,4725 4910,4730 4940,4730 4940,4920 5235,4920 5235,5245 5240,5250 5435,5250 5435,5460 5995,5460 5995,4575 6000,4570 4870,4570 4870,4375 4865,4370 5075,4370 5075,4555 5085,4565 5995,4565 5995,3005 5990,3000 2995,3000 2995,3785 2985,3775 2310,3775 2310,4140 2295,4155 2290,4150 2005,4150
GND on Bottom Layer "bottom" (solid, pour order 6): 2005,4610 2645,4610 2650,4615 2645,4620 2645,5040 2865,5040 2865,5340 2650,5340 2645,5345 2645,6430 3010,6430 3005,6425 3005,6320 3710,6320 3720,6330 3720,6565 3980,6565 3975,6570 3975,6945 4310,6945 4315,6940 4305,6930 4305,6375 4290,6375 4235,6320 4240,6315 4240,6100 4250,6100 4280,6070 4280,5825 4344.92,5825 4355,5835.08 4355,6125 4380,6150 4460,6150 4495,6185 4490,6190 4490,6365 4465,6390 4475,6400 4475,6950 4895,6950 4900,6945 4900,6685 5255,6685 5265,6695 5265,6950 5995,6950 5990,6945 5990,5470 5230,5470 5225,5465 5225,4930 4200,4930 4210,4920 4210,4725 4905,4725 4910,4730 4940,4730 4940,4920 5235,4920 5235,5245 5240,5250 5435,5250 5435,5460 5995,5460 5995,4575 6000,4570 4870,4570 4870,4375 4865,4370 5075,4370 5075,4555 5085,4565 5995,4565 5995,3005 5990,3000 2995,3000 2995,3785 2985,3775 2310,3775 2310,4140 2295,4155 2290,4150 2005,4150
GND on Middle Layer 1 "mid1" (solid, pour order 7): 2005,4610 2645,4610 2650,4615 2645,4620 2645,5040 2865,5040 2865,5340 2650,5340 2645,5345 2645,6430 3010,6430 3005,6425 3005,6320 3710,6320 3720,6330 3720,6565 3980,6565 3975,6570 3975,6945 4310,6945 4315,6940 4305,6930 4305,6375 4290,6375 4235,6320 4240,6315 4240,6100 4250,6100 4280,6070 4280,5825 4344.92,5825 4355,5835.08 4355,6125 4380,6150 4460,6150 4495,6185 4490,6190 4490,6365 4465,6390 4475,6400 4475,6950 4895,6950 4900,6945 4900,6685 5255,6685 5265,6695 5265,6950 5995,6950 5990,6945 5990,5470 5230,5470 5225,5465 5225,4930 4200,4930 4210,4920 4210,4725 4905,4725 4910,4730 4940,4730 4940,4920 5235,4920 5235,5245 5240,5250 5435,5250 5435,5460 5995,5460 5995,4575 6000,4570 4870,4570 4870,4375 4865,4370 5075,4370 5075,4555 5085,4565 5995,4565 5995,3005 5990,3000 2995,3000 2995,3785 2985,3775 2310,3775 2310,4140 2295,4155 2290,4150 2005,4150
GND on Middle Layer 2 "mid2" (solid, pour order 8): 2005,4610 2645,4610 2650,4615 2645,4620 2645,5040 2865,5040 2865,5340 2650,5340 2645,5345 2645,6430 3010,6430 3005,6425 3005,6320 3710,6320 3720,6330 3720,6565 3980,6565 3975,6570 3975,6945 4310,6945 4315,6940 4305,6930 4305,6375 4290,6375 4235,6320 4240,6315 4240,6100 4250,6100 4280,6070 4280,5825 4344.92,5825 4355,5835.08 4355,6125 4380,6150 4460,6150 4495,6185 4490,6190 4490,6365 4465,6390 4475,6400 4475,6950 4895,6950 4900,6945 4900,6685 5255,6685 5265,6695 5265,6950 5995,6950 5990,6945 5990,5470 5230,5470 5225,5465 5225,4930 4200,4930 4210,4920 4210,4725 4905,4725 4910,4730 4940,4730 4940,4920 5235,4920 5235,5245 5240,5250 5435,5250 5435,5460 5995,5460 5995,4575 6000,4570 4870,4570 4870,4375 4865,4370 5075,4370 5075,4555 5085,4565 5995,4565 5995,3005 5990,3000 2995,3000 2995,3785 2985,3775 2310,3775 2310,4140 2295,4155 2290,4150 2005,4150

## Keep-outs
Keep-Out Layer:
  lines w10: 4280,6070 4280,6095 4255,6120 4255,6245 4255,6310 4315,6370 4315,6645 4335,6665 4395,6665 4410,6680 4410,6720 ; 4340,5865 4340,5935 4340,6110 4380,6150 4460,6150 4495,6185 4495,6320 4485,6330 ; 2005,3050 2005,6950 5995,6950 5995,3050 2005,3050

## Other copper
Top Layer:
  pour cut-out: 2995,3155 2995,4010 3015,4030 3780,4030 3780,3160 3775,3155
Middle Layer 1:
  pour cut-out: 2995,3155 2995,4010 3015,4030 3780,4030 3780,3160 3775,3155
Middle Layer 2:
  pour cut-out: 2995,3155 2995,4010 3015,4030 3780,4030 3780,3160 3775,3155
Bottom Layer:
  pour cut-out: 2995,3150 2995,4005 3015,4025 3780,4025 3780,3155 3775,3150

## Silkscreen, mask and mechanical layers (free items; w line width, h text height)
Top Overlay:
  circle w10: c4323.66,5905 r10.82
  text "demotree.vip" at 5005,3450 h60
Top Paste:
  drawing of 1497 lines, arcs and shapes, not listed
Top Solder:
  drawing of 1497 lines, arcs and shapes, not listed

## Text inside footprints (layer, text, board x,y; h text height)
IOPORTA1: Top Overlay "1" at 2035,6670 h50 r270; Top Overlay "2" at 2135,6670 h50 r270; Top Overlay "40" at 2135,4590 h50 r270; Top Overlay "39" at 2035,4590 h50 r270
IOPORTA2: Top Overlay "1" at 2255,6670 h50 r270; Top Overlay "2" at 2355,6670 h50 r270; Top Overlay "40" at 2355,4590 h50 r270; Top Overlay "39" at 2255,4590 h50 r270
IOPORTA3: Top Overlay "1" at 2475,6670 h50 r270; Top Overlay "2" at 2575,6670 h50 r270; Top Overlay "40" at 2575,4590 h50 r270; Top Overlay "39" at 2475,4590 h50 r270
J1: Top Overlay "1" at 5105,4540 h50 r180; Top Overlay "2" at 5125,4440 h50 r180; Top Overlay "4" at 4865,4440 h50 r180; Top Overlay "3" at 4865,4540 h50 r180
J24: Top Overlay "13" at 2978.66,6500 h50 r180; Top Overlay "14" at 2978.66,6400 h50 r180; Top Overlay "1" at 3778.66,6500 h50 r180; Top Overlay "2" at 3778.66,6400 h50 r180
J25: Top Overlay "13" at 4938.66,4760 h50; Top Overlay "14" at 4938.66,4860 h50; Top Overlay "1" at 4138.66,4760 h50; Top Overlay "2" at 4138.66,4860 h50
J26: Top Overlay "1" at 5458.66,5420 h50 r180; Top Overlay "2" at 5478.66,5320 h50 r180; Top Overlay "4" at 5218.66,5320 h50 r180; Top Overlay "3" at 5218.66,5420 h50 r180
POWERJUMPERB: Top Overlay "6" at 2795,5030 h50 r270; Top Overlay "5" at 2695,5030 h50 r270; Top Overlay "2" at 2795,5390 h50 r270; Top Overlay "1" at 2695,5370 h50 r270
USB3: Top Overlay "USB" at 5139.41,6905 h40 r180